# Altium PCB CrypTech.PcbDoc (part 4 of 6)
Units mm, origin at the board's own origin, x right, y up, seen from the top; angles counter-clockwise.
Board outline 99.5 x 122 mm, 8 copper layers (Top, Ground Plane 1, Inner Layer 1, 3V3 Plane, Power Plane, Inner Layer 2, Ground Plane 2, Bottom), stack 1.553 mm thick; 385 components, 302 nets, 2103 pads, 1544 vias.
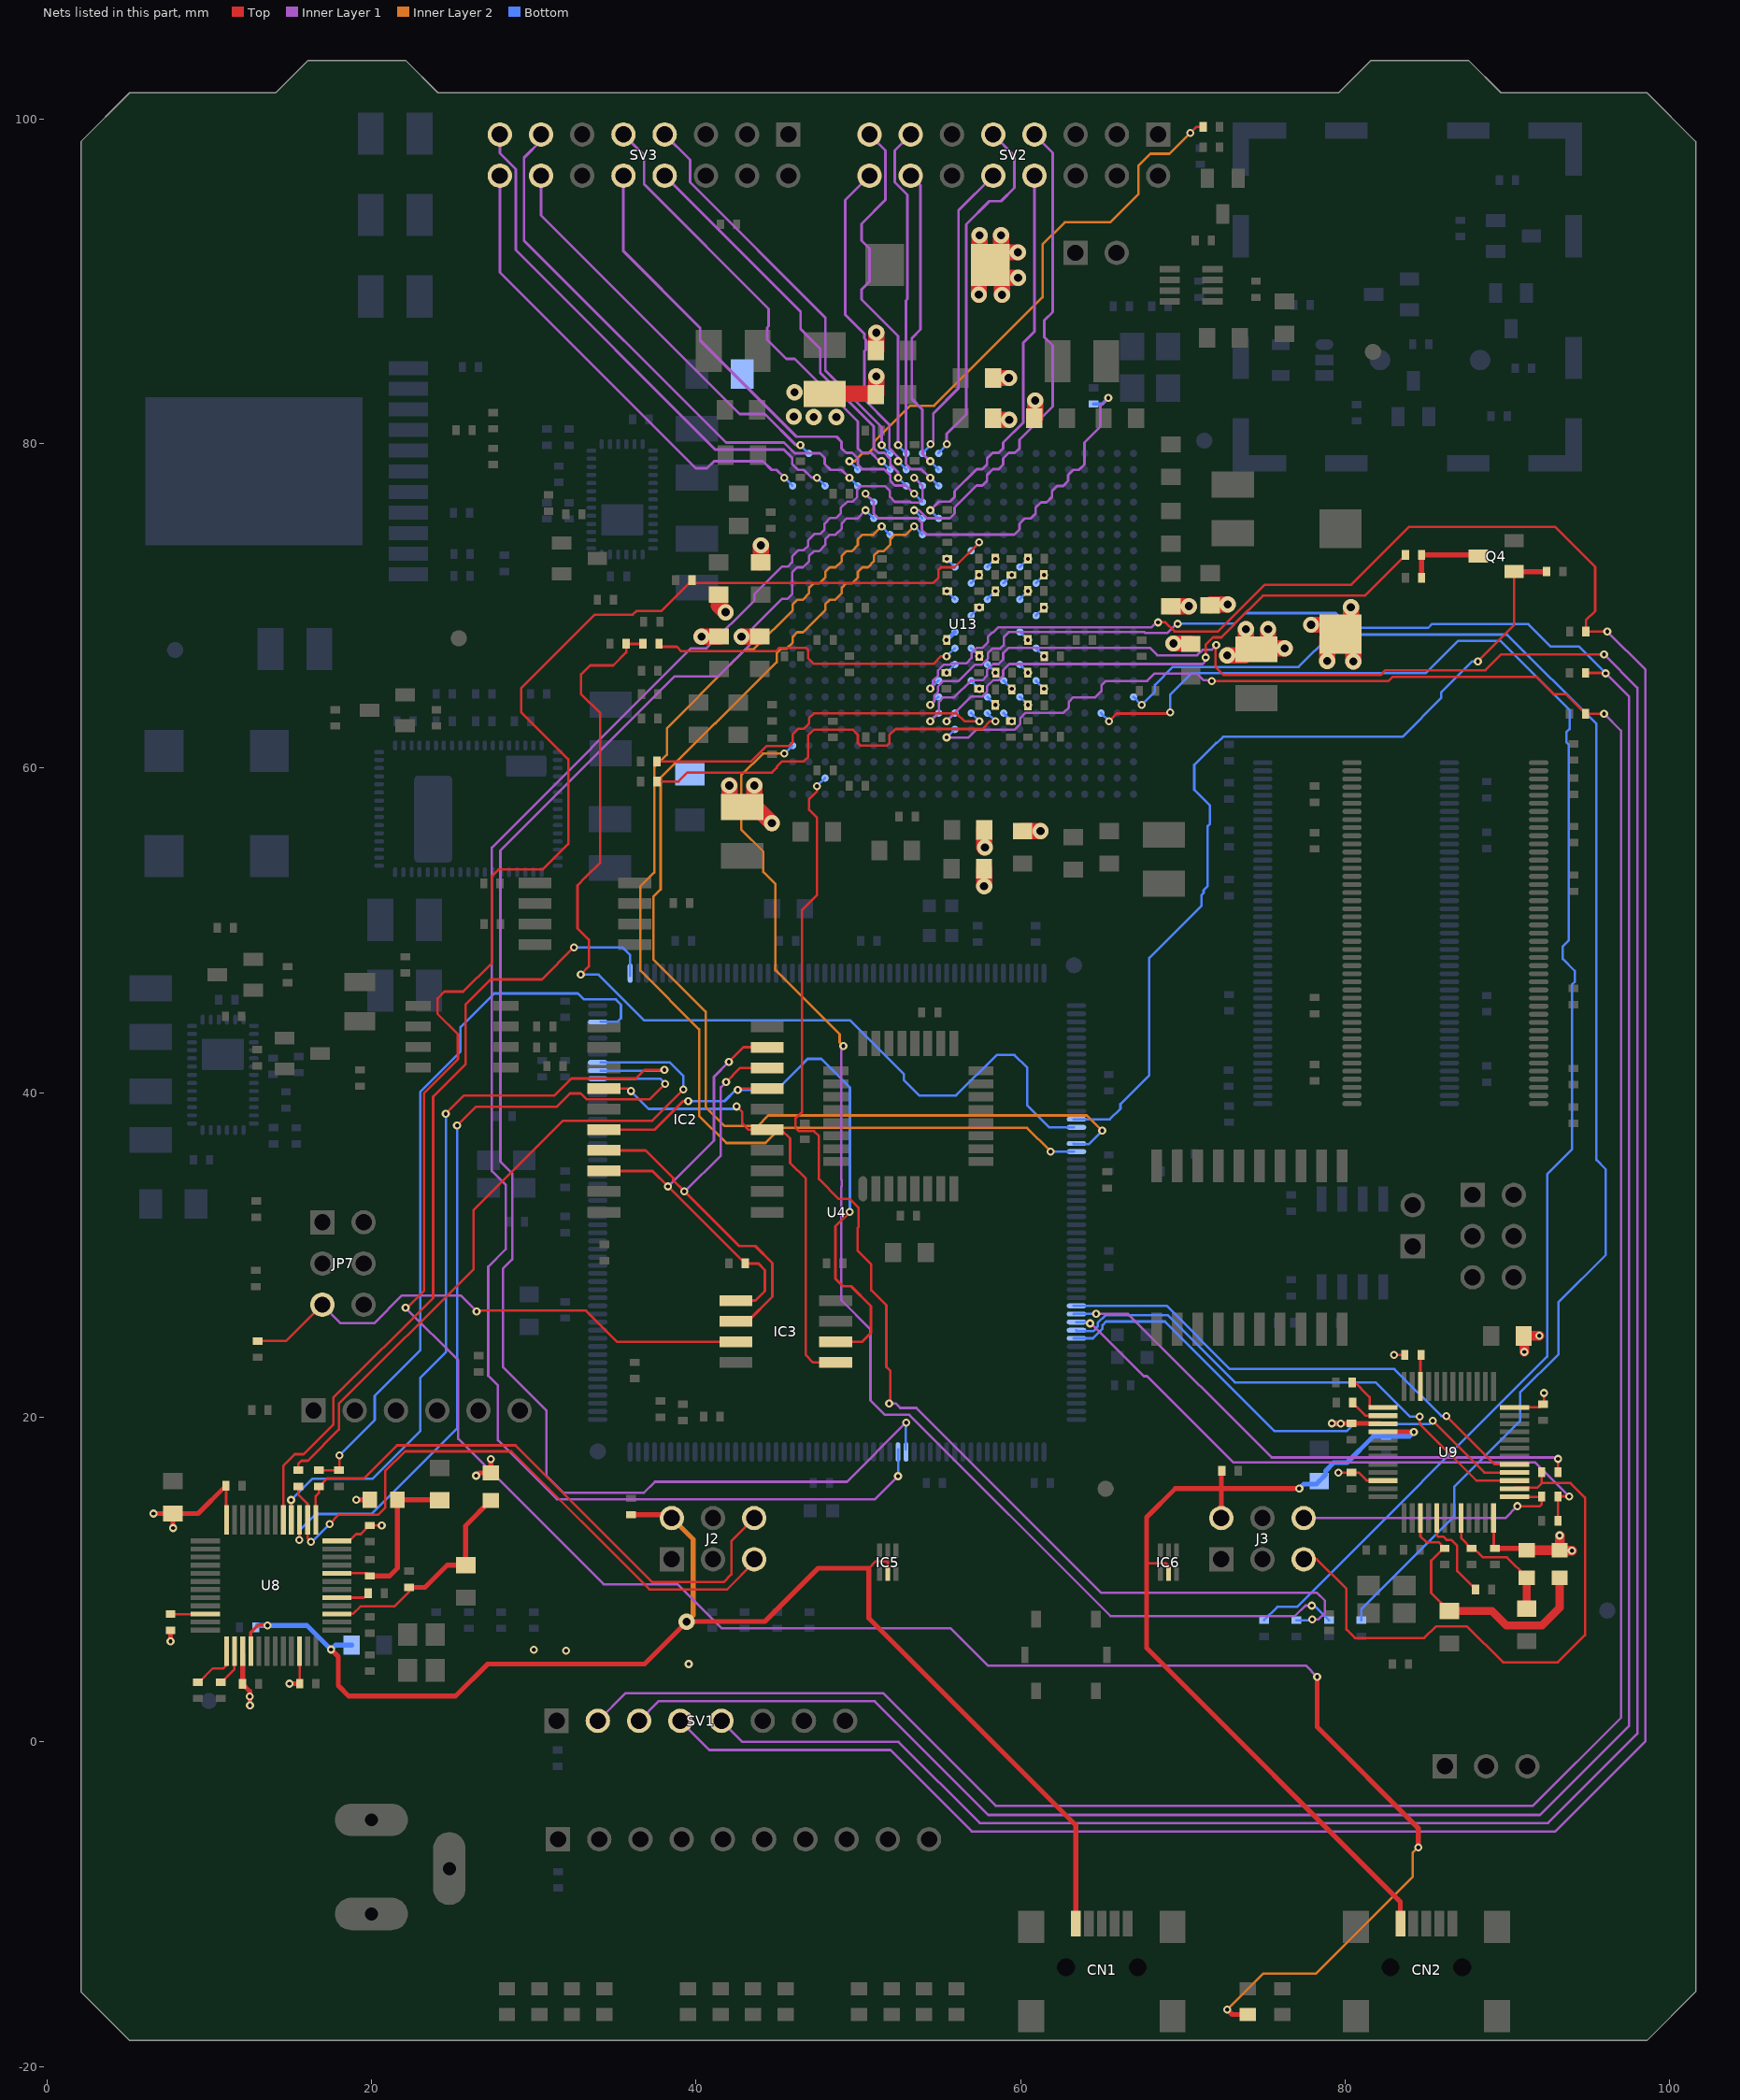
[diagram p10: the nets of this part, all layers, seen from the top]

## Via types
v1: diameter 0.5, hole 0.25, Top to Bottom, tented both sides, 1180 vias
v2: diameter 1, hole 0.5, Top to Bottom, tented both sides, 296 vias
v3: diameter 0.6, hole 0.25, Top to Bottom, tented both sides, 68 vias

## Nets (pads, with @x,y where several pads share a name; then routed paths per layer and width w, separated by ;. In a path a pad name is that pad's centre, name@x,y a point inside that pad or via, vN(x,y) a via of type N, cw(c..) or ccw(c..) an arc to the next point about the centre after c; other vN are vias at no path point) (continued)
FPGA_DONE_INT: LED13.2 R39.2 U13.G11 | length 179.7
  Top w0.15: v1(22.1,26.75) 22.2,26.75 23.25,27.8 23.25,39.975 25.325,42.05 25.325,43.6 24.075,44.85 24.075,45.8 24.5,46.225 25.65,46.225 27.415,47.99 27.415,53.34 27.825,53.75 30.55,53.75 32.125,55.325 32.125,60.55 29.225,63.45 29.225,64.9 33.775,69.45 36.1,69.45 36.325,69.675 37.85,69.675 R39.2@39.75,71.575 39.91,71.415 54.626,71.415 54.949,71.737 54.949,72.218 55.101,72.37 55.917,72.37 v1(57.449,73.901) ; v1@78.275,3.925 v1(78.275,4)
  Top w0.3: v1(72.725,-16.5) 73.025,-16.8 LED13.2@74,-16.8 ; v1(78.275,4) 78.275,0.925 84.5,-5.3 v1(84.5,-6.5)
  Inner Layer 1 w0.15: v1(22.1,26.75) 25.35,23.5 25.35,18.675 34.312,9.713 38.873,9.713 41.586,7 55.691,7 57.985,4.706 77.569,4.706 v1(78.275,4)
  Inner Layer 2 w0.15: v1(72.725,-16.5) 74.956,-14.269 78.205,-14.269 84.158,-8.316 84.158,-6.842 v1(84.5,-6.5)
  Bottom w0.15: U13.G11@56.953,73.406 v1(57.449,73.901)
FPGA_ENTROPY_DISABLE: R5.1 U13.B18 | length 34.2
  Top w0.15: v1(70.45,99.125) 70.825,99.5 R5.1@71.25,99.5
  Inner Layer 2 w0.15: v1(49.456,78.905) 49.775,78.905 50.25,79.38 50.602,79.38 50.962,79.74 50.962,80.092 53.194,82.325 54.675,82.325 61.35,89 61.35,92.25 62.725,93.625 65.525,93.625 67.25,95.35 67.25,97.1 68,97.85 69.175,97.85 v1(70.45,99.125)
  Bottom w0.15: v1(49.456,78.905) U13.B18@49.951,78.41
FPGA_GCLK: R4.1 U13.D17 | length 24.3
  Inner Layer 1 w0.164: v1(50.446,76.898) 50.955,76.39 50.955,75.683 51.237,75.4 53.625,75.4 53.926,75.099 53.926,74.674 54.217,74.383 59.622,74.383 59.931,74.692 59.931,75.056 60.249,75.374 60.622,75.374 60.931,75.683 60.931,76.046 61.249,76.365 61.596,76.365 61.931,76.699 61.931,77.062 62.249,77.381 62.622,77.381 62.931,77.689 62.931,78.053 63.249,78.371 63.596,78.371 63.931,78.705 63.931,80.059 64.907,81.036 64.907,82.307 v1(65.4,82.8)
  Bottom w0.15: v1(50.446,76.898) U13.D17@50.942,76.403
  Bottom w0.2: R4.1@64.491,82.431 65.031,82.431 v1(65.4,82.8)
FPGA_GPIO_A_0: SV2.7 U13.E14 | length 30.9
  Inner Layer 1 w0.164: v1(53.443,75.882) 53.752,75.882 54.234,75.4 55.65,75.4 55.932,75.683 55.932,76.064 57.276,77.407 57.648,77.407 57.931,77.689 57.931,78.053 58.301,78.423 58.648,78.423 58.931,78.705 58.931,79.069 59.276,79.414 59.648,79.414 59.931,79.696 59.931,80.231 61.975,82.275 61.975,86.04 61.468,86.547 61.468,87.582 61.975,88.089 61.975,97.913 SV2.7@60.853,99.035
  Bottom w0.15: v1(53.443,75.882) U13.E14@53.939,75.387
FPGA_GPIO_A_1: SV2.8 U13.E13 | length 24.8
  Inner Layer 1 w0.164: v1(54.434,75.882) 54.968,76.416 55.65,76.416 55.932,76.699 55.932,77.054 57.301,78.423 57.648,78.423 57.931,78.705 57.931,79.069 58.276,79.414 58.648,79.414 58.931,79.696 58.931,80.059 59.589,80.718 59.603,80.718 60.168,81.283 60.168,86.207 60.853,86.892 SV2.8@60.853,96.495
  Bottom w0.15: v1(54.434,75.882) U13.E13@54.929,75.387
FPGA_GPIO_A_2: SV2.9 U13.A13 | length 22.5
  Inner Layer 1 w0.164: v1(55.448,79.959) 55.448,80.588 56.65,81.79 56.65,93.5 58.075,94.925 58.8,94.925 59.625,95.75 59.625,97.723 SV2.9@58.313,99.035
  Bottom w0.15: U13.A13@54.929,79.4 54.934,79.405 55.448,79.919 v1(55.448,79.959)
FPGA_GPIO_A_3: SV2.10 U13.A14 | length 18.9
  Inner Layer 1 w0.164: v1(54.458,79.959) 54.618,80.12 54.618,81.85 56.175,83.407 56.175,94.357 SV2.10@58.313,96.495
  Bottom w0.15: U13.A14@53.939,79.4 54.458,79.919 v1(54.458,79.959)
FPGA_GPIO_A_4: SV2.13 U13.C13 | length 23.6
  Inner Layer 1 w0.164: SV2.13@53.233,99.035 52.251,98.053 52.251,96.088 53.032,95.307 53.032,88.897 52.935,88.8 52.935,78.732 53.244,78.423 53.874,78.423 54.408,77.889 v1(54.434,77.889)
  Bottom w0.15: v1(54.434,77.889) U13.C13@54.929,77.394
FPGA_GPIO_A_5: SV2.14 U13.B13 | length 19.2
  Inner Layer 1 w0.164: SV2.14@53.233,96.495 53.825,95.903 53.825,87.014 53.293,86.482 53.293,82.747 53.952,82.088 53.952,79.375 54.422,78.905 v1(54.434,78.905)
  Bottom w0.15: v1(54.434,78.905) U13.B13@54.929,78.41
FPGA_GPIO_A_6: SV2.15 U13.A15 | length 22.2
  Inner Layer 1 w0.164: SV2.15@50.693,99.035 51.675,98.053 51.675,95.014 50.193,93.532 50.193,92.497 50.682,92.008 50.682,89.972 50.193,89.483 50.193,88.872 52.453,86.612 v1(52.453,79.896)
  Bottom w0.15: v1(52.453,79.896) U13.A15@52.948,79.4
FPGA_GPIO_A_7: SV2.16 U13.B15 | length 20.3
  Inner Layer 1 w0.164: SV2.16@50.693,96.495 49.193,94.995 49.193,87.928 50.368,86.753 50.368,86.467 50.457,86.378 50.457,85.772 50.368,85.683 50.368,82.707 51.919,81.156 51.919,79.706 52.453,79.172 v1(52.453,78.905)
  Bottom w0.15: v1(52.453,78.905) U13.B15@52.948,78.41
FPGA_GPIO_B_0: SV3.7 U13.A16 | length 25.4
  Inner Layer 1 w0.164: SV3.7@38.069,99.035 39.627,97.477 39.627,96.088 47.968,87.747 47.968,84.482 51.437,81.013 v1(51.437,79.896)
  Bottom w0.15: v1(51.437,79.896) U13.A16@51.932,79.4
FPGA_GPIO_B_1: SV3.8 U13.C15 | length 25.5
  Inner Layer 1 w0.164: SV3.8@38.069,96.495 46.443,88.121 46.443,87.047 47.654,85.836 47.654,84.352 50.955,81.051 50.955,79.696 51.237,79.414 51.61,79.414 51.971,79.053 51.971,78.705 52.453,78.223 v1(52.453,77.889)
  Bottom w0.15: v1(52.453,77.889) U13.C15@52.948,77.394
FPGA_GPIO_B_2: SV3.9 U13.B16 | length 28.2
  Inner Layer 1 w0.164: SV3.9@35.529,99.035 36.8,97.764 36.8,95.975 44.482,88.293 44.482,87.222 44.393,87.133 44.393,86.397 45.572,85.218 46.092,85.218 49.964,81.346 49.964,79.696 50.247,79.414 50.793,79.414 51.302,78.905 v1(51.437,78.905)
  Bottom w0.15: v1(51.437,78.905) U13.B16@51.932,78.41
FPGA_GPIO_B_3: SV3.10 U13.D14 | length 30.6
  Inner Layer 1 w0.164: SV3.10@35.529,96.495 35.529,91.846 40.257,87.118 40.257,86.343 46.187,80.413 48.662,80.413 48.974,80.101 48.974,79.696 49.256,79.414 49.629,79.414 49.964,79.078 49.964,78.705 50.247,78.423 51.585,78.423 51.971,78.037 51.971,77.689 52.253,77.407 52.935,77.407 v1(53.443,76.898)
  Bottom w0.15: v1(53.443,76.898) U13.D14@53.939,76.403
FPGA_GPIO_B_4: SV3.13 U13.C18 | length 34
  Inner Layer 1 w0.164: SV3.13@30.449,99.035 30.449,98.649 29.4,97.6 29.4,92.5 41.85,80.05 45.425,80.05 46.083,79.392 46.631,79.392 46.636,79.387 47.649,79.387 47.931,79.105 47.931,78.732 48.292,78.371 48.974,78.371 v1(49.456,77.889)
  Bottom w0.15: v1(49.456,77.889) U13.C18@49.951,77.394
FPGA_GPIO_B_5: SV3.14 U13.A21 | length 25
  Inner Layer 1 w0.164: SV3.14@30.449,96.495 30.449,94.051 42.688,81.812 44.238,81.812 46.154,79.896 v1(46.433,79.896)
  Bottom w0.15: v1(46.433,79.896) U13.A21@46.928,79.4
FPGA_GPIO_B_6: SV3.15 U13.C20 | length 32.8
  Inner Layer 1 w0.164: SV3.15@27.909,99.035 27.909,97.883 28.891,96.901 28.891,91.909 41.175,79.625 45.404,79.625 45.925,79.105 45.925,78.735 46.288,78.371 46.633,78.371 47.115,77.889 v1(47.449,77.889)
  Bottom w0.15: v1(47.449,77.889) U13.C20@47.944,77.394
FPGA_GPIO_B_7: SV3.16 U13.C22 | length 29.8
  Inner Layer 1 w0.164: SV3.16@27.909,96.495 27.909,90.541 39.982,78.468 40.678,78.468 41.117,78.907 44.128,78.907 44.664,78.371 44.96,78.371 v1(45.442,77.889)
  Bottom w0.15: v1(45.442,77.889) U13.C22@45.938,77.394
FPGA_GPIO_LED_0: R100.2 U13.U3 | length 98.9
  Top w0.15: v1(65.453,62.885) 65.928,63.36 69.11,63.36 v1@69.225,63.475
  Bottom w0.15: U13.U3@64.953,63.385 v1(65.453,62.885) ; v1(69.225,63.425) 69.225,64.525 70.55,65.85 84.975,65.85 86.95,67.825 89.575,67.825 93.825,63.575 93.825,62.397 93.625,62.197 93.625,61.603 93.775,61.453 93.775,49.372 93.41,49.007 93.41,48.236 94.15,47.497 94.15,46.825 93.975,46.65 93.975,36.5 92.443,34.968 92.443,23.743 77.025,8.325 75.825,8.325 R100.2@75,7.5
FPGA_GPIO_LED_1: R64.2 U13.T1 | length 94.7
  Bottom w0.15: U13.T1@66.953,64.385 v1(67.453,63.885) 68.275,64.706 68.275,65.125 69.375,66.225 77.125,66.225 79.125,68.225 89.975,68.225 95.475,62.725 95.475,35.85 96.05,35.275 96.05,30 93.15,27.1 93.15,23.9 90.775,21.525 90.775,19.775 86.725,15.725 86.725,13.923 81,8.198 R64.2@81,7.5
FPGA_GPIO_LED_2: R98.2 U13.W22 | length 80.2
  Inner Layer 1 w0.15: v1(49.075,42.875) 48.95,42.75 48.95,34.647 48.975,34.622 48.975,34.228 48.95,34.203 48.95,27.225 50.75,25.425 50.75,21.05 51.65,20.15 53.147,20.15 65.547,7.75 76.9,7.75 77.55,8.4 v1(77.95,8.4)
  Inner Layer 2 w0.15: v1(45.442,60.889) 44.114,60.889 42.8,59.575 42.8,56.2 44.15,54.85 44.15,53.6 44.9,52.85 44.9,47.551 48.851,43.6 48.851,43.099 v1(49.075,42.875)
  Bottom w0.15: v1(45.442,60.889) U13.W22@45.938,61.385 ; v1(77.95,8.4) 78.1,8.4 R98.2@79,7.5
FPGA_GPIO_LED_3: R99.2 U13.AA20 | length 77.8
  Top w0.15: v1(47.449,58.89) 47.449,58.561 46.974,58.086 46.974,57.415 47.455,56.933 47.455,52.181 46.525,51.25 46.525,38.793 46.125,38.393 46.125,37.85 46.35,37.625 47.275,37.625 47.575,37.325 47.575,34.678 48.803,33.45 49.475,33.45 50.025,32.9 50.025,31.721 49.952,31.648 49.952,30.273 50.8,29.425 50.8,27.825 51.725,26.9 51.725,23.103 51.975,22.853 v1@51.975,20.75
  Inner Layer 1 w0.15: v1(51.9,20.85) 52.303,20.85 52.578,20.575 53.575,20.575 64.95,9.2 78.25,9.2 78.75,8.7 78.75,7.95 78.35,7.55 v1(77.975,7.55)
  Bottom w0.15: v1(47.449,58.89) U13.AA20@47.944,59.385 ; R99.2@77,7.5 77.925,7.5 v1(77.975,7.55)
FPGA_INIT_B: Q4.1 R42.2 U4.119 | length 55.8
  Top w0.15: v1(88.175,66.575) 90.406,68.806 Q4.1@90.406,72.1
  Top w0.3: Q4.1@90.406,72.1 92.403,72.1 R42.2@92.413,72.111
  Bottom w0.15: U4.119@63.271,38.354 65.501,38.354 66.15,39.003 66.15,39.3 67.925,41.075 67.925,48.3 71.15,51.525 71.15,52.175 71.275,52.3 71.275,52.475 71.525,52.725 71.525,56.425 71.675,56.575 71.675,57.678 70.7,58.653 70.7,60.2 72.05,61.55 72.097,61.55 72.479,61.932 83.532,61.932 85.925,64.325 85.925,64.672 87.828,66.575 v1(88.175,66.575)
FPGA_INIT_B_INT: Q4.3 R40.1 R62.1 | length 4.9
  Top w0.3: R40.1@84.709,71.73 R62.1@84.709,73.127 88.13,73.127 Q4.3@88.206,73.05
FPGA_INIT_B_INT1: R62.2 U13.U12 | length 34.1
  Top w0.15: v1(71.41,66.81) 71.41,67.607 71.853,68.05 72.375,68.05 73.15,68.825 73.15,68.85 74.925,70.625 81.207,70.625 R62.2@83.709,73.127
  Inner Layer 1 w0.15: v1(55.445,62.885) 56.97,64.41 57.65,64.41 57.928,64.688 57.928,65.032 58.307,65.41 58.65,65.41 58.928,65.688 58.928,66.032 59.307,66.41 71.21,66.41 v1@71.46,66.66
  Bottom w0.15: v1(55.445,62.885) U13.U12@55.945,63.385
FPGA_IRQ_N_0: U4.122 U13.F14 | length 73.7
  Inner Layer 2 w0.15: v1(53.443,74.892) 52.928,74.376 52.256,74.376 51.978,74.098 51.978,73.771 51.568,73.36 51.24,73.36 50.962,73.082 50.962,72.729 50.602,72.37 50.25,72.37 49.971,72.091 49.971,71.739 49.612,71.379 49.259,71.379 48.981,71.101 48.981,70.773 48.57,70.363 48.243,70.363 47.965,70.085 47.965,69.732 46.597,68.365 46.236,68.365 45.958,68.086 45.958,67.733 45.578,67.353 45.252,67.353 44.974,67.075 44.974,66.523 41.2,62.75 41.175,62.75 37.825,59.4 37.825,52.525 37.375,52.075 37.375,48.225 40.6,45 40.6,39.128 41.778,37.95 43.8,37.95 44.45,38.6 64.082,38.6 v1(65.025,37.657)
  Bottom w0.15: v1(53.443,74.892) U13.F14@53.939,74.397 ; U4.122@63.271,36.855 63.302,36.825 64.193,36.825 v1(65.025,37.657)
FPGA_IRQ_N_1: U4.123 U13.F16 | length 71.1
  Inner Layer 2 w0.15: 42.15,66.4 38.2,62.45 38.2,60.825 37.425,60.05 37.425,53.55 37.4,53.55 36.575,52.725 36.575,47.525 40.193,43.907 40.193,38.582 41.875,36.9 44.275,36.9 45.2,37.825 60.4,37.825 v1@61.825,36.4 ; 42.15,66.4 43.075,67.325 43.551,67.325 45.958,69.732 45.958,70.085 46.236,70.363 46.564,70.363 46.974,70.773 46.974,71.101 47.252,71.379 47.605,71.379 47.965,71.739 47.965,72.091 48.243,72.37 48.596,72.37 48.981,72.755 48.981,73.082 49.259,73.36 49.586,73.36 49.971,73.745 49.971,74.098 50.25,74.376 50.921,74.376 v1(51.437,74.892) ; v1(61.85,36.375) v1@61.825,36.4 ; v1@62.05,36.4 v1@61.825,36.4
  Bottom w0.15: v1(51.437,74.892) U13.F16@51.932,74.397 ; v1(61.85,36.375) 63.269,36.375 U4.123@63.271,36.373
FPGA_IRQ_N_2: U4.174 U13.E17 | length 100
  Inner Layer 1 w0.15: v1(50.446,75.882) 49.931,75.367 49.259,75.367 48.981,75.089 48.981,74.761 48.596,74.376 48.243,74.376 47.965,74.098 47.965,73.745 47.58,73.36 47.252,73.36 46.974,73.082 46.974,72.755 46.589,72.37 46.236,72.37 45.918,72.051 45.918,70.707 45.639,70.429 45.312,70.429 43.525,68.642 43.525,67.8 41.375,65.65 38.684,65.65 27.95,54.916 27.95,35.75 28.675,35.025 28.675,29.725 28.1,29.15 28.1,23.1 30.775,20.425 30.775,16.414 31.839,15.35 36.792,15.35 37.467,16.025 49.3,16.025 v1(52.95,19.675)
  Bottom w0.15: v1(50.446,75.882) U13.E17@50.942,75.387 ; U4.174@52.934,18.034 52.934,19.659 v1(52.95,19.675)
FPGA_IRQ_N_3: U4.175 U13.C14 | length 106
  Inner Layer 1 w0.15: v1(52.45,16.375) 51.031,14.956 31.422,14.956 27.8,18.578 27.8,21.95 27.2,22.55 27.2,29.275 28.275,30.35 28.275,34.325 27.425,35.175 27.425,55.104 39.696,67.375 40.65,67.375 43.6,70.325 43.6,70.724 45.286,72.41 45.639,72.41 45.918,72.689 45.918,73.041 46.302,73.426 46.63,73.426 46.908,73.705 46.908,74.032 47.293,74.417 47.646,74.417 47.924,74.695 47.924,75.048 48.284,75.407 48.636,75.407 48.915,75.686 48.915,76.013 49.325,76.423 49.652,76.423 49.931,76.702 49.931,77.156 50.149,77.374 51.648,77.374 51.95,77.072 51.95,76.703 52.253,76.4 53.204,76.4 53.247,76.358 53.732,76.358 53.959,76.584 53.959,77.374 v1(53.443,77.889)
  Bottom w0.15: v1(52.45,16.375) v1(52.45,16.375) U4.175@52.451,18.034 ; v1(53.443,77.889) U13.C14@53.939,77.394
FPGA_JTAG_TCK: R45.1 SV1.2 U13.V12 | length 175.9
  Top w0.15: v1(71.775,65.35) 82.65,65.35 82.925,65.625 91.775,65.625 92.839,64.561 93.597,64.561 R45.1@94.81,63.348 94.815,63.352 v1(95.952,63.352)
  Inner Layer 1 w0.15: SV1.2@33.95,1.3 35.65,3 51.528,3 58.459,-3.931 91.569,-3.931 97,1.5 97,62.3 95.952,63.348 v1(95.952,63.352) ; v1(55.445,61.885) 56.782,61.885 57.257,62.36 59.61,62.36 59.978,62.728 59.978,63.082 60.307,63.41 62.65,63.41 62.978,63.738 62.978,64.082 63.257,64.36 64.6,64.36 64.978,64.738 64.978,65.082 65.257,65.36 67.8,65.36 68.265,65.825 70.859,65.825 71.259,65.425 71.775,65.425 v1(71.775,65.35)
  Bottom w0.15: v1(55.445,61.885) U13.V12@55.945,62.385
FPGA_JTAG_TDI: R43.1 SV1.4 U13.R13 | length 187.3
  Top w0.15: v1(68.475,68.975) 68.917,68.975 69.478,68.414 72.164,68.414 75.05,71.3 80.375,71.3 83.925,74.85 92.95,74.85 95.4,72.4 95.4,69.675 94.836,69.111 R43.1@94.836,68.402 v1(96.152,68.402)
  Inner Layer 1 w0.15: SV1.4@39.03,1.3 40.83,-0.5 51.983,-0.5 56.997,-5.514 92.943,-5.514 98.5,0.043 98.5,66.054 v1(96.152,68.402) ; v1(54.434,64.889) 54.609,65.065 54.609,65.393 54.909,65.693 54.909,66.02 55.249,66.36 55.642,66.36 55.732,66.45 56.647,66.45 56.978,66.782 56.978,67.082 57.307,67.41 57.65,67.41 57.978,67.738 57.978,68.082 58.257,68.36 58.31,68.36 58.625,68.675 68.075,68.675 v1@68.3,68.9
  Bottom w0.15: v1(54.434,64.889) U13.R13@54.929,65.385
FPGA_JTAG_TDO: SV1.5 U13.U13 | length 176.2
  Top w0.15: v1(72.05,67.575) 72,67.525 72,66.25 72.525,65.725 82.175,65.725 82.475,66.025 88.65,66.025 89.625,67 v1@95.95,67
  Inner Layer 1 w0.15: SV1.5@41.57,1.3 42.87,0 52.485,0 57.485,-5 92.5,-5 98,0.5 98,64.954 v1(95.952,67.002) ; v1(54.434,62.89) 54.97,63.426 54.97,64.082 55.249,64.36 55.904,64.36 56.954,65.41 57.65,65.41 57.928,65.688 57.928,66.032 58.307,66.41 58.65,66.41 58.928,66.688 58.928,67.078 59.26,67.41 67.965,67.41 68.425,66.95 70.878,66.95 71.213,67.285 71.76,67.285 v1(72.05,67.575)
  Bottom w0.15: v1(54.434,62.89) U13.U13@54.929,63.385
FPGA_JTAG_TMS: R44.1 SV1.3 U13.T13 | length 180.7
  Top w0.15: R44.1@94.81,65.862 96.024,65.862 v1(96.052,65.834)
  Inner Layer 1 w0.15: SV1.3@36.49,1.3 37.69,2.5 51.013,2.5 58.013,-4.5 92,-4.5 97.5,1 97.5,64.387 v1(96.052,65.834) ; v1(54.434,63.889) 54.67,64.126 54.67,64.454 54.909,64.693 54.909,65.02 55.249,65.36 56.185,65.36 57.2,66.375 57.615,66.375 57.978,66.738 57.978,67.082 58.257,67.36 58.735,67.36 58.978,67.603 58.978,68.082 59.272,68.375 67.625,68.375 67.675,68.325 69.05,68.325 69.614,68.889 v1(69.675,68.889)
  Bottom w0.15: v1(54.434,63.889) U13.T13@54.929,64.385 ; v1(69.675,68.889) 73.189,68.889 73.85,69.55 79.425,69.55 80.338,68.637 85.11,68.637 85.35,68.877 91.292,68.877 91.292,68.858 92.65,67.5 94.387,67.5 v1(96.052,65.834)
FPGA_M0: R37.1 U13.U11 | length 22.5
  Top w0.15: R37.1@37.591,60.408 43.408,60.408 44.365,61.365 45.739,61.365 45.958,61.583 45.958,62.086 46.286,62.415 46.63,62.415 46.974,62.759 46.974,63.086 47.252,63.365 56.06,63.365 56.54,62.885 v1(57.453,62.885)
  Bottom w0.15: U13.U11@56.953,63.385 v1(57.453,62.885)
FPGA_M1: R36.2 U13.U10 | length 25.3
  Top w0.15: R36.2@37.591,59.176 38.926,59.176 39.475,59.725 44.675,59.725 44.967,60.017 44.967,60.086 45.296,60.414 46.63,60.414 46.908,60.693 46.908,62.02 47.252,62.365 49.652,62.365 49.971,62.046 49.971,61.538 50.134,61.375 51.771,61.375 51.912,61.516 51.912,62.02 52.301,62.41 57.65,62.41 58.125,62.885 v1(58.453,62.885)
  Bottom w0.15: U13.U10@57.953,63.385 v1(58.453,62.885)
FPGA_M2: R35.2 U13.U9 | length 0.7
  Bottom w0.15: U13.U9@58.953,63.385 v1(59.453,62.885)
FPGA_PROGRAM_B: R41.1 R63.1 U4.120 | length 62.9
  Top w0.15: v1(32.9,47.275) 33.4,47.775 33.4,49.425 32.7,50.125 32.7,52.775 33.2,53.275 34.1,54.175 34.1,63.375 32.925,64.55 32.925,65.775 33.475,66.325 34.9,66.325 35.7,67.125 R41.1@35.7,67.65 R63.1@36.725,67.65
  Bottom w0.15: v1(32.9,47.275) 34,47.275 36.825,44.45 49.5,44.45 52.8,41.15 52.8,40.778 53.753,39.825 56.029,39.825 58.529,42.325 59.625,42.325 60.4,41.55 60.4,39.225 61.754,37.871 U4.120@63.271,37.871
FPGA_PROGRAM_B1: R63.2 U13.N12 | length 19.8
  Top w0.15: R63.2@37.625,67.875 R63.2@37.788,67.712 ; R63.2@37.725,67.65 37.9,67.475 38.825,67.475 39.1,67.2 44.927,67.2 45.13,67.403 46.767,67.403 46.908,67.262 46.908,66.759 47.252,66.415 54.631,66.415 55.101,66.885 v1(55.445,66.885)
  Bottom w0.15: v1(55.445,66.885) U13.N12@55.945,67.385
FPGA_PROM_CS_N: IC2.9 IC2.18 IC3.1 R51.1 | length 27.7
  Top w0.164: IC2.18@34.327,35.177 37.323,35.177 v1(38.275,34.225) R51.1@43.025,29.475 43.85,29.475 44.25,29.075 44.25,27.775 43.663,27.188 IC3.1@42.463,27.188 ; v1(42.025,41.9) 42.922,42.797 IC2.9@44.385,42.797
  Inner Layer 1 w0.164: v1(38.275,34.225) 41.1,37.05 41.1,40.975 v1(42.025,41.9)
FPGA_PROM_MISO: IC2.8 IC2.17 IC3.2 | length 29
  Top w0.15: v1(41.85,40.65) 42.727,41.527 IC2.8@44.385,41.527
  Top w0.164: IC2.17@34.327,36.447 36.903,36.447 38.6,34.75 38.6,34.6 v1(39.275,33.925) 42.65,30.55 43.65,30.55 44.7,29.5 44.7,27.425 43.193,25.918 IC3.2@42.463,25.918
  Inner Layer 1 w0.15: v1(39.275,33.925) 39.316,33.925 41.525,36.134 41.525,40.325 v1(41.85,40.65)
FPGA_PROM_MOSI: IC2.5 IC2.14 IC3.5 | length 29
  Top w0.15: v1(42.5,39.15) 42.85,38.8 42.85,38.1 43.233,37.717 IC2.5@44.385,37.717 45.258,37.717 45.8,37.175 45.8,35.675 46.763,34.712 46.763,23.837 47.222,23.378 IC3.5@48.61,23.378
  Top w0.164: IC2.14@34.327,40.257 35.843,40.257 v1(36,40.1)
  Bottom w0.15: v1@36,40.075 37.075,39 42.35,39 v1(42.5,39.15)
FPGA_PROM_SCLK: IC2.7 IC2.16 IC3.6 | length 38.6
  Top w0.164: IC2.16@34.327,37.717 37.442,37.717 39.2,39.475 v1(39.525,39.475) ; v1(42.575,40.175) 42.657,40.257 IC2.7@44.385,40.257 ; IC3.6@48.61,24.648 50.223,24.648 50.775,25.2 50.775,26.85 49.55,28.075 49.05,28.075 48.593,28.532 48.593,31.768 v1(49.475,32.65)
  Bottom w0.164: v1(39.525,39.475) 41.75,39.475 42.45,40.175 v1(42.575,40.175) 44.982,40.175 46.482,41.675 46.482,41.682 46.875,42.075 47.725,42.075 49.475,40.325 v1(49.475,32.65)
FPGA_PROM_W_N: IC3.3 JP7.5 R50.2 | length 32.8
  Top w0.15: R50.2@13,24.7 14.745,24.7 JP7.5@16.98,26.935 ; v1(26.475,26.525) 26.525,26.575 33.225,26.575 35.152,24.648 IC3.3@42.463,24.648
  Inner Layer 1 w0.15: JP7.5@16.98,26.935 18.115,25.8 20.175,25.8 21.875,27.5 25.5,27.5 v1(26.475,26.525)
FPGA_VCCAUX_1V8: C109.1 C126.1 C132.1 C136.1 C139.1 C143.1 C147.1 C151.1 C155.1 C159.1 FB5.2 U13.H12 U13.K10 U13.K12 U13.M12 U13.P12 U13.R11 | length 10.6
  Top w1: C136.1@44,72.679 v2(44,73.725) ; C126.1@47.93,83.057 51.1,83.057 v2(51.1,84.125) ; C139.1@51.1,85.725 v2(51.1,86.825)
  Bottom w0.15: v1(55.445,65.885) U13.P12@55.945,66.385 ; v1(55.45,70.904) U13.K12@55.945,70.409 ; v1(55.45,72.885) U13.H12@55.945,72.39 ; U13.R11@56.953,65.385 v1(57.453,64.885) ; U13.K10@57.953,70.409 v1(58.449,70.904)
  Bottom w0.254: v1(55.425,67.89) 55.45,67.89 U13.M12@55.945,68.385
  other v2: 47.25,81.625 48.65,81.625 46.025,81.65 46.075,83.15
FPGA_VCCINT_1V0: C123.1 C124.1 C125.1 C127.1 C128.1 C129.1 C130.1 C131.1 C133.1 C134.1 C135.1 C137.1 C138.1 C140.1 C141.1 C142.1 C144.1 C145.1 C146.1 C148.1 C149.1 C150.1 C152.1 C153.1 C154.1 C156.1 C157.1 C158.1 C160.1 C161.1 C162.1 C163.1 C164.1 FB7.2 U13.H8 U13.H10 U13.J7 U13.J9 U13.J11 U13.K8 U13.L7 U13.L11 U13.M8 U13.N7 U13.N11 U13.P8 U13.P10 U13.R7 U13.R9 U13.T8 U13.T10 | length 49.3
  Top w1: v2(40.35,68.1) C148.1@41.427,68.1 ; C160.1@41.4,70.679 41.4,70.025 v2(41.825,69.6) ; C133.1@42.076,57.51 v2@42.076,58.935 ; v2@42.85,68.1 C145.1@43.917,68.1 ; v2(43.6,58.925) 43.6,57.675 v2(44.675,56.6) ; v2(57.425,89.175) C127.1@57.425,90.6 ; C127.1@57.475,91.4 v2(57.475,92.825) ; v2@57.75,52.75 C156.1@57.75,53.797 ; v2@57.769,55.103 C161.1@57.769,56.225 ; C157.1@58.302,81.45 v2(59.3,81.45) ; C152.1@58.302,84.025 v2(59.275,84.025) ; C127.1@58.4,91.775 v2(59.825,91.775) ; C127.1@58.425,90.2 v2(59.85,90.2) ; C127.1@58.8,91.4 v2(58.8,92.825) ; v2(58.85,89.15) C127.1@58.85,90.575 ; C141.1@60.122,56.125 v2(61.225,56.125) ; C140.1@60.9,81.559 v2(60.9,82.65) ; C149.1@69.266,69.975 v2(70.375,69.975) ; v2(69.425,67.675) C153.1@70.485,67.675 ; C144.1@71.679,70.025 71.732,70.078 v2(72.754,70.078) ; v2(72.725,66.95) 73.825,66.95 C137.1@74.175,67.3 ; C137.1@73.875,67.125 v2(73.875,68.55) ; C137.1@74.85,67.375 v2(76.275,67.375) ; C137.1@75.25,67.125 v2(75.25,68.55) ; v2(77.9,68.825) C123.1@79.325,68.825 ; v2(78.9,66.6) C123.1@78.9,68.025 ; C123.1@80.35,68.475 v2(80.35,69.9) ; v2(80.5,66.575) C123.1@80.5,68
  Bottom w0.15: U13.N11@56.953,67.385 v1(57.453,66.885) ; U13.L11@56.953,69.393 v1(57.453,69.893) ; U13.J11@56.953,71.399 v1(57.449,71.895) ; U13.T10@57.953,64.385 v1(58.453,63.885) ; U13.P10@57.953,66.385 v1(58.453,65.885) ; U13.H10@57.953,72.39 v1(58.449,72.885) ; U13.R9@58.953,65.385 v1(59.453,64.885) ; U13.J9@58.953,71.399 v1(59.449,71.895) ; U13.T8@59.953,64.385 v1(60.453,63.885) ; U13.P8@59.953,66.385 v1(60.453,65.885) ; U13.M8@59.953,68.385 v1(60.453,67.885) ; U13.K8@59.953,70.409 v1(60.449,70.904) ; U13.H8@59.953,72.39 v1(60.449,72.885) ; U13.R7@60.953,65.385 v1(61.453,64.885) ; U13.N7@60.953,67.385 v1(61.453,66.885) ; U13.L7@60.953,69.393 v1(61.453,69.893) ; U13.J7@60.953,71.399 v1(61.449,71.895)
  other v2: 57.75,52.725 57.803,55.103 42.05,58.925 42.8,68.1
FT_CTS: U4.44 U8.16 | length 49.5
  Top w0.15: v1(15.05,14.9) 15.069,14.881 U8.16@15.069,13.903 ; v1(24.575,38.7) 25.7,39.825 31.275,39.825 32.325,40.875 36.3,40.875 36.825,41.4 v1(38.05,41.4)
  Bottom w0.15: v1(15.05,14.9) 16.375,16.225 20.075,16.225 23,19.15 23,22.425 24.6,24.025 v1@24.6,38.7 ; U4.44@34.112,41.351 37.901,41.351 v1@38.05,41.5
FT_DTR: U4.53 U8.17 | length 49.6
  Top w0.15: U8.17@14.569,13.903 14.569,17.019 15.275,17.725 15.825,17.725 17.65,19.55 17.65,21.2 23.8,27.35 23.8,39.763 25.812,41.775 25.812,45.437 27.35,46.975 30.499,46.975 v1(32.477,48.952)
  Bottom w0.15: v1(32.477,48.952) 35.464,48.952 35.941,48.475 U4.53@35.941,47.193
FT_MGMT_CTS: U4.146 U9.16 | length 32.3
  Top w0.15: v1(85.4,19.775) 88.575,16.6 U9.16@90.653,16.6
  Bottom w0.15: U4.146@63.271,24.867 64.465,24.867 65.054,25.456 65.054,25.681 65.273,25.9 68.9,25.9 75.655,19.145 80.08,19.145 80.51,19.575 85.2,19.575 v1(85.4,19.775)
FT_MGMT_DTR: U4.142 U9.17 | length 31.4
  Top w0.15: v1(86.225,20.075) 89.2,17.1 U9.17@90.653,17.1
  Bottom w0.15: U4.142@63.271,26.873 69.002,26.873 72.9,22.975 83.028,22.975 85.928,20.075 v1(86.225,20.075)
FT_MGMT_RTS: U4.145 U9.15 | length 32.3
  Top w0.15: v1(84.6,20.05) 84.6,19.575 88.075,16.1 U9.15@90.653,16.1
  Bottom w0.15: U4.145@63.442,25.364 63.442,25.31 64.476,25.31 64.754,25.588 64.754,25.805 65.249,26.3 69.05,26.3 73.2,22.15 81.881,22.15 83.981,20.05 v1(84.6,20.05)
FT_MGMT_RXD: R89.1 U4.143 | length 34.4
  Top w0.15: R89.1@93.108,16.605 v1(93.108,17.433)
  Inner Layer 1 w0.15: v1(64.653,26.376) 66.624,26.376 75.475,17.525 93.017,17.525 v1(93.108,17.433)
  Bottom w0.15: U4.143@63.271,26.365 63.282,26.376 v1(64.653,26.376)
FT_MGMT_RXD1: J3.5 R89.2 U9.14 | length 36.7
  Top w0.15: J3.5@77.445,11.252 78.248,11.252 80.075,9.425 80.075,6.925 80.6,6.4 84.875,6.4 85.6,7.125 87.497,7.125 89.722,4.9 93.1,4.9 94.775,6.575 94.775,15.05 93.875,15.95 92.116,15.95 ; U9.14@90.435,15.6 90.435,15.657 91.823,15.657 92.116,15.95 ; R89.2@92.108,16.605 92.116,16.597 92.116,15.95
FT_MGMT_TXD: R88.1 R90.2 U4.144 | length 37
  Top w0.15: R90.2@93.108,13.633 R88.1@93.108,15.132 93.793,15.132 v1(93.8,15.125)
  Inner Layer 1 w0.15: v1(64.279,25.785) 64.343,25.785 67.596,22.532 67.793,22.532 73.1,17.225 91.7,17.225 v1(93.8,15.125)
  Bottom w0.15: U4.144@63.442,25.864 64.201,25.864 v1(64.279,25.785)
FT_MGMT_TXD1: J3.6 R88.2 U9.13 | length 17
  Top w0.15: v1(90.6,14.525) 91.992,14.525 92.108,14.641 R88.2@92.108,15.132 92.076,15.1 U9.13@90.653,15.1
  Inner Layer 1 w0.15: J3.6@77.445,13.792 89.867,13.792 v1(90.6,14.525)
FT_MGMT_VCC3V3: C97.1 C98.1 C99.1 C100.1 C101.1 FB3.1 FB4.1 R27.2 U9.12 U9.24 U9.39 U9.46 | length 18.6
  Top w0.15: v1(79.172,19.623) v1@79.175,19.62 ; v1(79.578,16.597) C98.1@80.391,16.597 80.828,16.597 81.325,16.1 U9.46@82.135,16.1 ; U9.39@82.118,19.62 U9.39@82.135,19.602 ; v1(83.006,23.844) R27.2@83.676,23.844 ; U9.12@89.154,13.6 89.154,12 C99.1@89.23,11.923 ; U9.24@90.653,20.618 92.007,20.618 C100.1@92.202,20.813 92.25,20.861 v1(92.25,21.5) ; FB4.1@91.079,11.923 FB4.1@91.186,11.816
  Top w0.3: v1@79.175,19.62 v1(79.725,19.62) C101.1@80.391,19.62 U9.39@82.118,19.62 ; C99.1@89.23,11.923 FB4.1@91.079,11.923
  Top w0.6: v1(91.032,24.032) C97.1@91.032,24.934 ; C97.1@91.066,25.032 v1(91.968,25.032) ; FB4.1@91.186,11.816 FB3.1@93.218,11.816 v1(93.218,12.718) ; FB3.1@93.066,11.782 v1(93.968,11.782)
  Bottom w0.15: v1@79.722,19.623 v1(79.725,19.62)
  Bottom w0.3: v1(79.172,19.623) v1@79.722,19.623
  other v1: 32,5.625 30,5.675
FT_MGMT_VPHY: C92.1 C94.1 FB3.2 U9.3 | length 17.1
  Top w0.15: U9.3@84.635,13.8 84.635,12.665 85,12.3 85.755,12.3 C94.1@86.131,11.923 86.048,11.923 85.3,11.175 85.3,9.186 C92.1@86.419,8.067
  Top w0.5: C92.1@86.419,8.067 89.038,8.067 89.93,7.175 92.125,7.175 93.218,8.268 FB3.2@93.218,10.116
FT_MGMT_VPLL: C95.1 C96.1 FB4.2 U9.8 | length 8
  Top w0.15: U9.8@87.147,13.6 87.147,12.558 C96.1@87.782,11.923 87.952,11.923 88.5,11.375 89.975,11.375 91.186,10.164 FB4.2@91.186,10.116
  Top w0.5: C95.1@91.186,8.207 FB4.2@91.186,10.116
FT_MGMT_VREGIN: C87.1 C88.1 C215.1 CN2.VBUS IC6.5 J3.2 U9.40 | length 57.1
  Top w0.15: 67.76,11 68.988,11 69.113,10.874 IC6.5@69.113,10.349 ; C215.1@72.365,16.665 C215.1@72.4,16.7
  Top w0.3: J3.2@72.365,13.792 72.365,15.606 ; C215.1@72.365,16.665 72.365,15.606 ; v1(77.173,15.606) 72.365,15.606 ; U9.40@82.335,19.1 84.215,19.1 v1(84.23,19.085) ; CN2.VBUS@83.4,-11.2 83.4,-9.85 67.76,5.79 67.76,11 67.76,13.835 69.531,15.606 72.365,15.606
  Bottom w0.3: v1(77.173,15.606) 77.448,15.881 78.214,15.881 C87.1@78.404,16.071 78.791,16.458 78.791,16.696 79.299,17.204 80.106,17.204 81.737,18.835 C88.1@82.508,18.835 83.98,18.835 v1(84.23,19.085)
FT_REF: R22.1 U8.5 | length 1.8
  Top w0.15: U8.5@18.069,8.886 19.528,8.886 R22.1@19.796,9.153
FT_REF1: R26.1 U9.5 | length 5.7
  Top w0.15: U9.5@85.635,13.8 85.635,12.74 85.737,12.638 86.062,12.638 86.25,12.45 86.525,12.45 86.9,12.075 86.9,10.525 R26.1@88.025,9.4
FT_RESET: R23.1 U8.34 | length 1.9
  Top w0.15: R23.1@7.621,7.875 9.541,7.875 U8.34@9.551,7.886
FT_RESET1: R27.1 U9.34 | length 1.7
  Top w0.15: U9.34@84.635,22.117 84.635,23.804 R27.1@84.676,23.844
FT_RTS: U4.43 U8.15 | length 51.3
  Top w0.15: v1(15.55,12.45) 15.569,12.469 U8.15@15.569,13.686 U8.15@15.569,13.903 ; v1(25.275,37.975) 26.425,39.125 31.4,39.125 32.225,39.95 32.9,39.95 33.25,39.6 37.15,39.6 v1(38.1,40.55)
  Bottom w0.15: v1(15.55,12.45) 15.55,13 16.588,14.038 20.012,14.038 25.275,19.3 v1(25.275,37.975) ; U4.43@34.112,40.869 37.781,40.869 v1(38.1,40.55)
FT_RXD: R87.1 U4.45 | length 43
  Top w0.15: R87.1@15.495,16.74 15.495,17.134 15.686,17.325 16.074,17.325 17.999,19.25 17.999,20.825 26.3,29.127 26.3,32.772 31.805,38.277 37.302,38.277 v1(39.225,40.2)
  Bottom w0.15: U4.45@34.112,41.859 37.35,41.859 37.366,41.875 38.375,41.875 39.225,41.025 v1(39.225,40.2)
FT_RXD1: J2.5 R87.2 U8.14 | length 38.9
  Top w0.15: R87.2@15.495,15.74 15.495,15.255 16.069,14.681 U8.14@16.069,13.686 16.069,12.556 v1@16.175,12.45 ; v1(17.425,13.425) 18,14 20.425,14 20.85,14.425 20.85,16.675 22.076,17.901 28.624,17.901 37.125,9.4 41.925,9.4 43.586,11.061 J2.5@43.586,11.252
  Bottom w0.15: v1(16.275,12.325) 16.325,12.325 v1(17.425,13.425)
FT_TXD: R86.1 R91.2 U4.50 | length 44.9
  Top w0.15: R86.1@16.752,16.74 R91.2@18.01,16.74 18.025,16.755 v1(18.025,17.65)
  Bottom w0.15: v1(18.025,17.65) 20.2,19.825 20.2,21.325 23,24.125 23,40.05 25.488,42.537 25.488,44.038 27.561,46.111 32.72,46.111 33.089,45.742 35.056,45.742 35.375,45.423 35.375,44.575 35.174,44.374 U4.50@34.112,44.374
FT_TXD1: J2.6 R86.2 U8.13 | length 36.1
  Top w0.15: U8.13@16.569,13.903 16.569,15.144 16.752,15.327 R86.2@16.752,15.74 16.765,15.74 17.262,16.237 19.537,16.237 21.575,18.275 28.875,18.275 37.3,9.85 41.7,9.85 42.175,10.325 42.175,12.381 J2.6@43.586,13.792
FT_VCC3V3: C82.1 C83.1 C84.1 C85.1 C86.1 FB1.1 FB2.1 R23.2 U8.12 U8.24 U8.39 U8.46 | length 20.6
  Top w0.15: C86.1@11.033,15.783 11.05,15.765 U8.24@11.05,13.903 ; v1(12.5,2.8) v1@12.516,2.784 ; U8.46@15.569,5.386 15.579,5.375 C84.1@15.579,3.591 ; U8.12@18.069,12.405 18.655,12.405 19.055,12.805 19.343,12.805 19.874,13.336 C85.1@19.889,13.336 v1(20.639,13.336)
  Top w0.3: v1(6.572,14.072) C82.1@7.773,14.072 ; v1(7.621,6.204) R23.2@7.621,6.875 ; v1(7.773,13.177) C82.1@7.773,14.072 ; C86.1@11.033,15.783 9.321,14.072 C82.1@7.773,14.072 ; U8.39@12.066,5.386 12.066,3.583 C83.1@12.049,3.565 12.5,3.114 v1(12.5,2.8) ; v1(12.516,2.253) v1@12.516,2.784 ; v1(14.941,3.591) C84.1@15.579,3.591 ; v1(19.069,14.919) FB2.1@19.903,14.919 ; v1(26.45,16.4) 26.623,16.573 FB1.1@27.351,16.573 v1(27.351,17.426)
  Bottom w0.3: v1(12.5,2.8) 12.516,2.784 v1(12.516,2.253)
  other v1: 39.55,4.8
FT_VCCA: C76.1 U8.37 | length 2.9
  Top w0.15: C76.1@9.297,3.684 9.384,3.684 10.225,4.525 10.875,4.525 11.05,4.7 U8.37@11.05,5.386
FT_VCCA1: C91.1 U9.37 | length 2.7
  Top w0.15: C91.1@80.459,22.291 81.5,21.25 81.5,20.7 81.582,20.618 U9.37@82.135,20.618
FT_VCCORE: C74.1 U8.38 | length 2.1
  Top w0.15: C74.1@10.72,3.684 10.759,3.684 11.558,4.483 U8.38@11.558,5.386
FT_VCCORE1: C89.1 U9.38 | length 2
  Top w0.15: C89.1@80.459,20.898 81.25,20.107 82.132,20.107 U9.38@82.135,20.11
FT_VPHY: C77.1 C79.1 FB1.2 U8.3 | length 13.8
  Top w0.15: U8.3@18.069,7.886 18.861,7.886 19.325,8.35 21.425,8.35 22.325,9.25 C79.1@22.325,9.525
  Top w0.3: C79.1@22.325,9.525 23.3,9.525 24.665,10.89 C77.1@25.807,10.89 25.807,13.329 FB1.2@27.351,14.873
FT_VPLL: C80.1 C81.1 FB2.2 U8.8 | length 10.6
  Top w0.15: U8.8@18.069,10.398 19.719,10.398 C81.1@19.889,10.228
  Top w0.3: C81.1@19.889,10.228 21.128,10.228 21.603,10.703 FB2.2@21.603,14.919 24.172,14.919 C80.1@24.207,14.884
FT_VREGIN: C72.1 C73.1 C214.1 CN1.VBUS IC5.5 J2.2 U8.40 | length 86.7
  Top w0.15: U8.40@12.549,5.386 U8.40@12.549,5.586 ; 50.65,10.7 51.075,11.125 51.816,11.125 IC5.5@51.816,10.349
  Top w0.2: U8.40@12.569,5.586 12.569,6.744 13.025,7.2 v1@13.6,7.2
  Top w0.3: v1(17.512,5.687) 17.95,5.25 17.95,3.475 18.6,2.825 25.186,2.825 27.161,4.8 36.825,4.8 39.45,7.425 44.25,7.425 47.525,10.7 50.65,10.7 50.65,7.625 63.4,-5.125 CN1.VBUS@63.4,-11.2 ; C214.1@36,14 38.299,14 J2.2@38.506,13.792
  Inner Layer 2 w0.15: v2(39.425,7.402) 39.829,7.806
  Inner Layer 2 w0.3: J2.2@38.506,13.792 39.829,12.47 39.829,7.806
  Bottom w0.3: C73.1@12.981,7.175 v1(13.6,7.175) 16.025,7.175 v1(17.512,5.687) 17.786,5.961 C72.1@18.776,5.961